# KiCad board SPCInterfaceBoard-v01.kicad_pcb (continued)
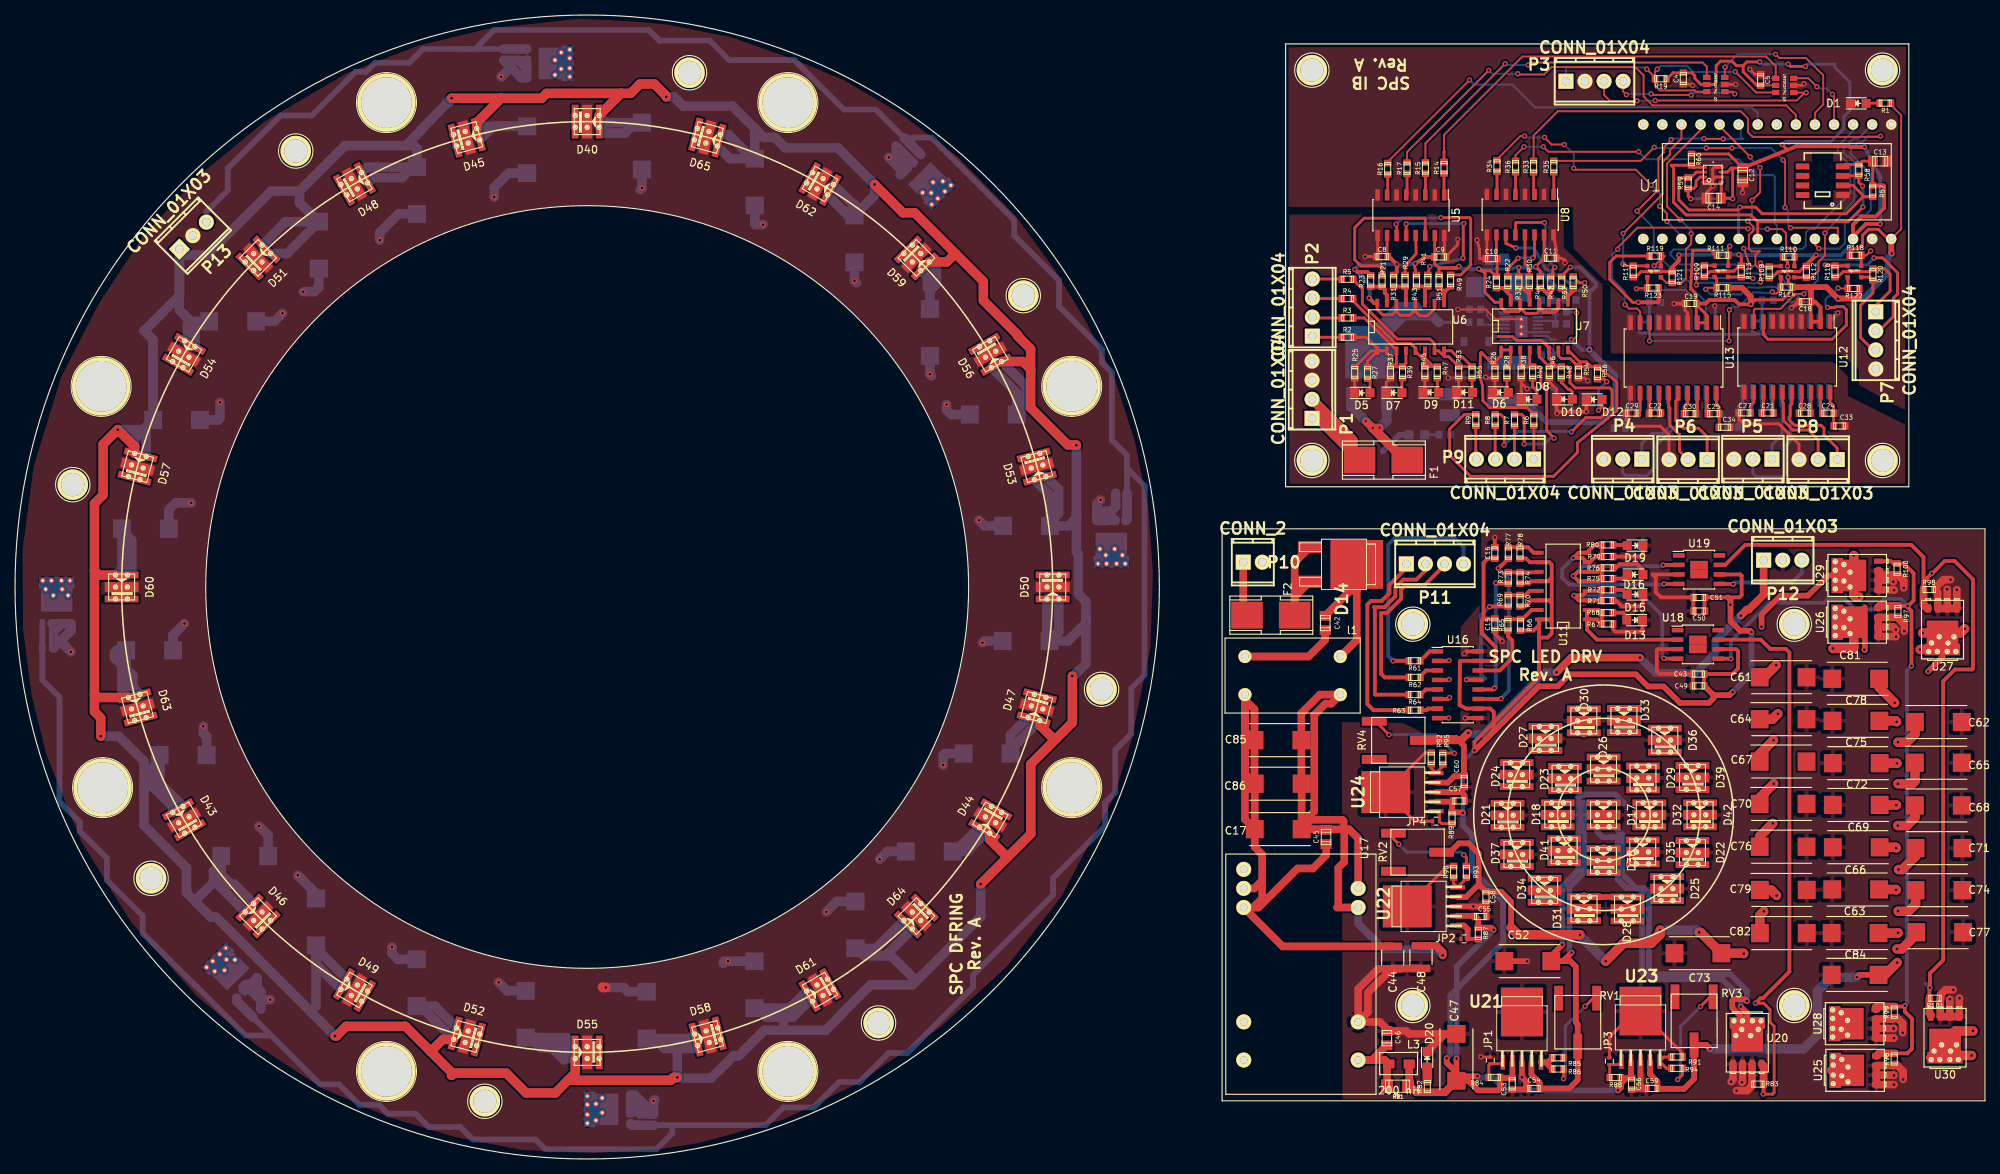
[diagram p0: board, top side]
## Routing (per net, layer and track width the routed paths; a pad name or vN(x,y) marks a point on that pad's centre or on a via; arc(x,y) is an arc through that point) (continued)
/LED-DC-DC/Out1: length 21.1
  Top w0.508: U11.1 209.36,70.52 210.69,69.19 U18.2 ; U11.1 U11.2 210.93,73.15 R68.2 211.32,72.75 R67.2 210.73,71.88 U11.1
/LED-DC-DC/Out2: length 30
  Top w0.508: v1(219.61,66.69) 219.65,66.65 U18.4 ; 211.31,74.42 R71.2 209.38,74.39 U11.3 208.25,74.42 v1(207.6,75.07) 208.74,75.07 U11.4 211.17,75.69 R72.2 211.31,74.42
  Bottom w0.508: v1(219.61,66.69) 219.38,66.92 219.38,72.39 216.7,75.07 v1(207.6,75.07)
/LED-DC-DC/Out3: length 24.6
  Top w0.508: v1(219.5,79.12) 219.52,79.15 U19.2 ; 210.97,76.96 R75.2 211.32,78.75 R76.2 210.78,78.23 U11.6 208.12,78.23 207.57,77.68 v1(207.53,77.68) 208.25,76.96 U11.5 210.97,76.96
  Bottom w0.508: v1(219.5,79.12) 219.34,78.97 208.83,78.97 v1(207.53,77.68)
/LED-DC-DC/Out4: length 29.6
  Top w0.508: v1(219.61,76.61) 219.61,76.61 U19.4 ; 209.75,79.5 210.51,80.26 R79.2 R80.2 210.36,81.81 209.36,80.81 U11.8 208.22,80.77 v1(207.53,80.08) 208.78,80.08 U11.7 209.75,79.5
  Bottom w0.508: v1(219.61,76.61) 219.53,76.53 206.96,76.53 206.05,77.45 206.05,78.59 v1(207.53,80.08)
/LED-DC-DC/T1: length 31
  Top w0.508: v1(183.54,66.36) 183.55,66.37 R61.1
  Bottom w0.508: v1(183.54,66.36) 182.89,67 182.89,81.84 183.79,82.73 191.72,82.73 192.91,81.54 P11.4
/LED-DC-DC/T2: length 24
  Top w0.508: R62.1 182.42,64.16 181.93,64.65 181.93,72.73 181.91,72.75 182.72,72.75 184.59,74.62 184.59,75.88 185.13,76.42 187.7,76.42 190.37,79.09 P11.3
/LED-DC-DC/T3: length 26.7
  Top w0.508: 185.59,61.9 R64.1 181.19,61.86 181.1,61.94 181.1,73.4 180.99,73.51 182.39,73.51 183.84,74.96 183.84,76.12 184.9,77.18 186.62,77.18 187.83,78.4 P11.2
/LED-DC-DC/T4: length 27.5
  Top w0.508: R63.1 180.92,59.79 180.1,60.61 180.1,73.85 180.59,74.34 181.99,74.34 183.05,75.39 183.05,76.47 185.29,78.72 P11.1
/LED-DC-DC/Vo11: length 9.2
  Top w0.508: R65.1 198.82,69.65 199.4,69.06 199.4,66.75 197.74,65.09 U16.14
/LED-DC-DC/Vo21: length 16.8
  Top w0.508: v1(193.31,63.86) 193.35,63.82 U16.13 ; v1(196.38,73.57) 196.42,73.61 R69.1
  Bottom w0.508: v1(193.31,63.86) 193.46,64.01 195.77,64.01 195.24,64.54 195.24,72.43 v1(196.38,73.57)
/LED-DC-DC/Vo31: length 18.1
  Top w0.508: v1(197.03,62.73) 196.85,62.55 U16.12 ; v1(197.19,76.75) 197.29,76.66 R73.1
  Bottom w0.508: v1(197.03,62.73) 197.19,62.89 v1(197.19,76.75)
/LED-DC-DC/Vo41: length 23.3
  Top w0.508: v1(197.89,61.33) 197.84,61.28 U16.11 ; v1(197.54,78.68) 197.91,79.05 197.96,79.05 R77.1
  Bottom w0.508: v1(197.89,61.33) 198.93,62.37 198.93,77.28 v1(197.54,78.68)
/Sensors/SCL0: length 45.6
  Top w0.381: 232.08,124.85 231.17,125.77 222.56,125.77 220.88,127.45 220.88,132.07 220.56,132.39 R60.1 223.54,132.11 U9.4 ; 232.08,124.85 244.13,124.85 v1(246.1,126.82) ; 232.08,124.85 232.09,124.84 U1.19 ; U10.3 243.42,130.99 R58.2 245.56,130.1 v1(246.04,129.62)
  Bottom w0.381: v1(246.04,129.62) 246.1,129.55 v1(246.1,126.82)
/Sensors/SDA0: length 43.1
  Top w0.381: 223.23,130.77 223.92,131.46 U9.3 ; 243.42,129.67 U10.2 244.79,129.69 246.29,128.19 R57.2 246.12,128.19 243.87,125.93 232.68,125.93 231.81,126.8 v1(229.72,126.8) 229.34,126.42 222.94,126.42 221.57,127.79 221.57,130.74 221.58,130.75 R59.1
  Bottom w0.381: v1(229.72,126.8) 229.55,126.63 U1.18
Net-(C3-Pad1): length 1.6
  Bottom w0.254: C3.1 206.33,114.39 R10.1
Net-(C6-Pad1): length 1.9
  Bottom w0.254: U4.4 197.05,110.64 196.73,110.32 196.61,110.32
Net-(C6-Pad2): length 3.5
  Bottom w0.254: C6.2 204.79,107.84 204.54,108.09 204.46,108.09 203.92,108.62 203.92,108.98 203.76,109.14 U4.16
Net-(C17-Pad1): length 97.2
  Top w1.016: 176.94,43.92 177.68,43.92 178.88,42.72 U17.23 ; 176.94,43.92 176.94,44.21 176.94,44.01 177.03,43.92 177.03,39.59 176.23,38.79 176.23,33.64 176.09,33.5 U17.22 ; 176.94,43.92 174.63,43.92 174.6,43.94 C17.1 ; 176.94,43.92 176.94,45.01 176.76,45.19 172.59,45.19 C17.1 ; C17.1 C86.1 171.32,50.02 C85.1 171.32,59.39 173.78,61.86 l1.2 175.3,60.66 174.54,60.66 173.03,59.15 173.03,46.34 171.35,44.66 C17.1 ; v1(190.14,27.11) 190.14,27.54 189.3,28.38 C48.1
  Bottom w1.016: v1(190.14,27.11) 189.31,27.95 182.3,27.95 178.88,31.37 U17.22
Net-(C17-Pad2): length 107.6
  Top w1.016: C85.2 163.8,57.07 l1.1 ; C85.2 165.08,59.9 163.8,61.18 l1.1 ; C85.2 165.08,50.02 C86.2 ; C86.2 163.8,51.29 l1.1 ; C86.2 C17.2 ; C17.2 163.8,45.25 l1.1 ; C17.2 165.11,41.55 166.09,40.57 166.09,37.1 ; 164.9,33.5 165.61,33.5 170.81,38.7 172.85,38.7 174.63,40.48 174.63,42.02 ; 164.9,33.5 166.09,34.7 166.09,37.1 ; 164.9,33.5 U17.3 168.82,28.32 C44.1 ; 166.09,37.1 165.04,36.04 U17.2
Net-(C21-Pad1): length 2.8
  Top w0.381: C21.1 234.11,99.45 U12.14
Net-(C21-Pad2): length 2.8
  Top w0.381: U12.13 232.84,99.55 C21.2
Net-(C22-Pad1): length 2.7
  Top w0.381: C22.1 218.97,99.59 U13.14
Net-(C22-Pad2): length 2.6
  Top w0.381: U13.13 217.7,99.38 C22.2
Net-(C23-Pad1): length 2.9
  Bottom w0.381: C23.1 222.63,99.32 U14.14
Net-(C23-Pad2): length 3
  Bottom w0.381: U14.13 223.9,99.33 C23.2
Net-(C24-Pad1): length 4.7
  Top w0.381: U12.20 241.73,100.79 242.2,100.32 C24.1 242.2,97.69 C33.1
Net-(C24-Pad2): length 2.9
  Top w0.381: C24.2 240.46,99.59 U12.19
Net-(C25-Pad1): length 4.8
  Top w0.381: U13.20 226.59,100.4 226.73,100.4 226.96,100.17 C25.1 226.96,97.51 C34.1
Net-(C25-Pad2): length 2.8
  Top w0.381: C25.2 225.32,99.42 U13.19
Net-(C26-Pad1): length 5.1
  Bottom w0.381: U14.20 215.01,100.47 214.89,100.47 214.48,100.06 C26.1 214.48,97.37 C35.1
Net-(C26-Pad2): length 3.1
  Bottom w0.381: C26.2 216.28,99.48 U14.19
Net-(C27-Pad1): length 2.9
  Top w0.381: U12.12 231.57,100.79 231.12,100.34 C27.1
Net-(C28-Pad1): length 2.8
  Top w0.381: U12.18 239.19,99.45 C28.1
Net-(C28-Pad2): length 2.9
  Top w0.381: C28.2 237.92,99.69 U12.17
Net-(C29-Pad1): length 2.8
  Top w0.381: C29.1 216.43,99.71 U13.12
Net-(C30-Pad1): length 2.8
  Top w0.381: U13.18 224.05,99.55 C30.1
Net-(C30-Pad2): length 3
  Top w0.381: U13.17 222.78,100.58 222.7,100.58 222.29,100.17 C30.2
Net-(C31-Pad1): length 3.1
  Bottom w0.381: C31.1 225.17,99.77 U14.12
Net-(C32-Pad1): length 2.9
  Bottom w0.381: U14.18 217.55,99.2 C32.1
Net-(C32-Pad2): length 3
  Bottom w0.381: C32.2 218.82,99.43 U14.17
Net-(C37-Pad1): length 2.9
  Bottom w0.381: C37.1 237.71,99.4 U15.14
Net-(C37-Pad2): length 2.9
  Bottom w0.381: C37.2 238.98,99.63 U15.13
Net-(C38-Pad1): length 5
  Bottom w0.381: U15.20 230.09,100.89 229.51,100.32 C38.1 229.51,97.53 C41.1
Net-(C38-Pad2): length 3
  Bottom w0.381: C38.2 231.36,99.77 U15.19
Net-(C39-Pad1): length 2.7
  Bottom w0.381: 240.88,99.8 240.25,100.43 U15.12
Net-(C40-Pad1): length 2.8
  Bottom w0.381: C40.1 232.63,99.44 U15.18
Net-(C40-Pad2): length 2.9
  Bottom w0.381: C40.2 233.9,99.64 U15.17
Net-(C42-Pad2): length 18.8
  Top w1.016: l1.3 178.7,69.14 178.7,75.68 ; 178.7,75.68 177.8,75.68 174.48,72.37 ; 178.7,75.68 D14.2
Net-(C46-Pad1): length 12
  Top w1.016: 182.67,15.15 180.71,13.18 U17.14 182.44,13.18 L3.1 182.72,12.41 R81.1
Net-(D1-Pad2): length 1.8
  Top w0.381: D1.2 246.55,140.66 R1.1
Net-(D2-Pad1): length 20.8
  Top w1.016: v2(179.89,98.31) v2(180.82,97.38) 181.71,97.38 v2(181.76,97.43)
  Top w1.27: F1.2 185.1,93.11 v2(180.82,97.38)
  Bottom w0.254: v2(180.82,97.38) 180.78,97.43 180.78,97.55 179.51,98.82 179.51,98.7
  Bottom w1.27: D2.3 178.1,100.11 180.78,97.43 v2(181.76,97.43) 182.7,98.37 D2.1
Net-(D3-Pad2): length 4.4
  Bottom w0.254: 196.99,109.37 196.86,109.37 ; 196.99,109.37 196.52,108.9 196.25,108.9 196.39,108.9 196.86,109.37 ; 196.99,109.37 197.05,109.43 197.29,109.43 197.5,109.64 ; 196.86,109.37 196.73,109.5 196.86,109.62 197.05,109.62 197.07,109.64 197.5,109.64 ; 197.5,109.64 U4.2
Net-(D4-Pad2): length 1.9
  Bottom w0.381: D4.2 R20.1
Net-(D5-Pad2): length 2
  Top w0.381: R27.1 180.46,103.64 D5.2
Net-(D6-Pad2): length 1.9
  Top w0.381: 198.72,102.12 198.69,102.16 R28.1
Net-(D7-Pad2): length 2
  Top w0.381: R39.1 184.71,103.95 D7.2
Net-(D8-Pad2): length 3.1
  Top w0.381: D8.2 202.69,102.31 202.14,102.86 202.11,102.86 R40.1
Net-(D9-Pad2): length 2
  Top w0.381: D9.2 189.41,102.32 R47.1
Net-(D10-Pad2): length 3.6
  Top w0.381: D10.2 207.4,102.19 207.06,102.53 206.86,102.53 205.97,103.43 205.92,103.43 R48.1
Net-(D11-Pad2): length 2.1
  Top w0.381: 194.43,102.12 194.05,102.51 R55.1
Net-(D12-Pad2): length 7.3
  Top w0.381: v1(211.97,103.55) 211.6,103.91 R56.1 ; v1(210.89,99.75) 210.89,99.74 211.36,100.21 D12.2
  Bottom w0.381: v1(211.97,103.55) 210.89,102.47 v1(210.89,99.75)
Net-(D13-Pad2): length 2.5
  Top w0.508: D13.2 214.65,72.29 214.16,72.78 R68.1
Net-(D14-Pad1): length 15.2
  Top w1.016: D14.3 170.42,74.88 F2.2 170.42,79.48 D14.1
Net-(D15-Pad2): length 2.1
  Top w0.508: D15.2 214.1,75.83 R72.1
Net-(D16-Pad2): length 5.1
  Top w0.508: D16.2 216.81,78.48 216.05,79.24 213.69,79.24 213.21,78.76 R76.1
Net-(D17-Pad1): length 89.1
  Top w0.762: v1(229.82,20.3) 230.7,19.42 U20.5 ; v1(230.64,21.04) 230.4,21.29 228.91,21.29 228.71,21.09 228.71,20.13 U20.5
  Bottom w0.762: v1(229.82,20.3) 229.82,21.48 227.35,23.95 217.71,23.95 217.59,24.07 217.59,35.38 216.91,36.07 215.92,36.07 214.07,37.91 214.07,43.22 213.03,44.26 D17.1 ; 212.68,42.86 211.45,42.86 210.73,43.58 D17.1 ; 212.68,42.86 212.84,42.86 ; 212.68,42.86 213.46,42.86 213.57,42.75 ; 213.45,42.26 213.45,37.23 214.57,36.12 216.86,36.12 216.68,35.93 216.68,24.87 216.95,24.6 228.45,24.6 230.64,22.41 v1(230.64,21.04)
Net-(D18-Pad1): length 6.8
  Top w0.762: 203.78,44.25 D18.1 ; 216.5,39.31 D35.1 ; 215.02,49.16 D29.1 ; 211.86,50.35 D26.1 211.09,50.35
  Top w1.27: U28.5 242.35,18.29 ; 242.38,11.81 U25.5 241.95,11.81
  Bottom w0.762: 217.64,39.42 D35.1 ; D32.1 218.17,44.26
Net-(D19-Pad2): length 1.9
  Top w0.508: D19.2 214.62,81.81 R80.1
Net-(D20-Pad2): length 1.8
  Top w1.27: D20.2 188.09,12.2 R82.1
Net-(D21-Pad1): length 63.3
  Top w0.762: 208.82,31.88 D31.1 ; 214.72,31.73 D28.1 ; 226.26,44.25 D42.1 ; 208.93,56.52 D30.1 ; 214.22,56.77 D33.1 214.27,56.69 ; 254.84,13.51 U30.5 ; v1(254.78,64.95) 256.7,66.88 U27.5 ; 246.35,67.8 v1(246.3,67.85) ; 246.36,67.85 246.36,73.51 ; v1(232.6,70.91) 232.6,72.53 235.11,75.05 238.78,75.05 241.46,77.73 U29.5 ; D37.1 200.03,38.85
  Top w1.27: U26.5 244.89,68.14 244.75,68.01 v1(242.11,68.01) ; U27.5 v1(253.72,67.88) ; v1(260.57,13.79) 258.95,13.79 U30.5 258.39,17.06 v1(260.76,17.06) ; v1(244.89,80.41) U29.5 244.89,75.09 245.12,74.86 v1(245.57,74.86) ; v1(259.66,70.63) 259.1,70.08 U27.5 v1(254.05,70.08)
  Bottom w0.762: v1(232.6,70.91) 232.63,70.89 232.63,70.8 ; D36.1 220.48,54.21
Net-(D40-Pad1): length 3.7
  Bottom w1.27: D45.1 58.82,136.06 D45.1 ; D40.1 D40.1 ; 71.41,145.5 U31.5
Net-(F2-Pad1): length 7.3
  Top w1.016: F2.1 163.58,72.94 P10.1
Net-(JP1-Pad2): length 3.7
  Top w0.381: U21.1 197.94,12.68 JP1.2 196.28,12.49 R84.1
Net-(JP2-Pad2): length 4.3
  Top w0.508: R87.1 194.85,29.33 JP2.2
  Top w0.762: U22.1 192.98,31.11 193.46,30.63 JP2.2
Net-(JP3-Pad2): length 3.5
  Top w0.381: U23.1 213.51,12.58 JP3.2 212.37,12.54 R88.1
Net-(JP4-Pad2): length 3.3
  Top w0.381: U24.1 189.7,45.89 JP4.2 190.03,44.67 R89.1
Net-(P2-Pad1): length 4
  Top w0.381: R2.2 172.93,109.47 P2.1
Net-(P2-Pad2): length 4
  Top w0.381: P2.2 172.89,112.04 R3.2
Net-(P2-Pad3): length 3.9
  Top w0.381: P2.3 172.85,114.62 R4.2
Net-(P2-Pad4): length 3.9
  Top w0.381: R5.2 176.65,117.24 P2.4
Net-(P9-Pad1): length 4.5
  Top w0.381: R6.2 202.27,93.27 P9.1
Net-(P9-Pad2): length 4.5
  Top w0.381: R7.2 199.7,93.24 P9.2
Net-(P9-Pad3): length 4.5
  Top w0.381: R8.2 197.12,93.27 P9.3
Net-(P9-Pad4): length 4.5
  Top w0.381: P9.4 194.54,93.31 R9.2
Net-(R10-Pad2): length 1.9
  Bottom w0.254: R10.2 202.81,113.91 U4.9
Net-(R11-Pad1): length 3.4
  Bottom w0.254: R11.1 195.47,111.14 U4.5
Net-(R12-Pad1): length 4.3
  Bottom w0.254: R12.1 195.89,113.18 196.04,113.04 196.04,112.35 196.67,111.72 197.38,111.72 197.46,111.64 U4.6
Net-(R13-Pad1): length 4.1
  Bottom w0.254: U4.11 204.77,111.64 R13.1 205.14,112.84 R18.1
Net-(R14-Pad2): length 2.9
  Top w0.381: U5.1 190.32,128.46 R14.2
Net-(R15-Pad2): length 2.8
  Top w0.381: U5.3 187.84,128.45 R15.2
Net-(R16-Pad2): length 2.8
  Top w0.381: R16.2 182.81,128.5 U5.7
Net-(R17-Pad2): length 2.9
  Top w0.381: U5.5 185.39,128.54 R17.2
Net-(R21-Pad2): length 4
  Top w0.508: R23.1 182.06,116.22 R21.2 182.42,115.87 182.42,115.38 182.7,115.1 U6.15
Net-(R22-Pad2): length 3.9
  Top w0.508: 198.81,115.4 199.19,115.01 U7.15 ; 198.81,115.4 198.17,116.04 R24.1 ; 198.81,115.4 R22.2
Net-(R29-Pad2): length 3.8
  Top w0.508: U6.13 185.24,116.13 R29.2 185.11,116.23 R31.1
Net-(R30-Pad2): length 3.7
  Top w0.508: U7.13 201.67,114.19 201.67,115.21 ; 201.67,115.21 200.83,116.04 R32.1 ; 201.67,115.21 R30.2
Net-(R33-Pad2): length 3
  Top w0.381: R33.2 202.24,128.63 U8.3
Net-(R34-Pad2): length 3.1
  Top w0.381: U8.7 197.36,128.58 R34.2
Net-(R35-Pad2): length 3
  Top w0.381: R35.2 204.93,128.53 U8.1
Net-(R36-Pad2): length 3
  Top w0.381: U8.5 199.84,128.51 R36.2
Net-(R41-Pad2): length 3.9
  Top w0.508: U6.11 187.78,115.88 R41.2 188.15,116.25 R43.1
Net-(R42-Pad2): length 3.6
  Top w0.508: 204.27,115.08 204.53,115.33 R42.2 ; 204.27,115.08 U7.11 ; 204.27,115.08 203.31,116.04 R44.1
Net-(R49-Pad2): length 3.7
  Top w0.508: 190.32,115.41 R49.2 ; 190.32,115.41 U6.9 ; 190.32,115.41 190.32,115.59 R51.1
Net-(R50-Pad2): length 3.6
  Top w0.508: 206.88,115.01 207.51,115.65 R50.2 ; 206.88,115.01 205.99,115.9 R52.1 ; 206.88,115.01 206.81,114.95 U7.9
Net-(R61-Pad2): length 2.8
  Top w0.508: U16.1 188.41,67.63 187.15,66.37 R61.2
Net-(R62-Pad2): length 2.8
  Top w0.508: U16.3 187.94,65.09 187.15,64.3 R62.2
Net-(R63-Pad2): length 2.4
  Top w0.508: U16.7 188.21,60.01 187.99,59.79 R63.2
Net-(R64-Pad2): length 2.6
  Top w0.508: U16.5 187.88,62.55 187.19,61.86 R64.2
Net-(R65-Pad2): length 4.7
  Top w0.508: U11.15 201.99,73.15 200.75,71.91 R66.1 198.83,71.91 R65.2
Net-(R69-Pad2): length 4.4
  Top w0.508: U11.13 201.71,75.69 201.13,75.11 R70.1 R69.2
Net-(R73-Pad2): length 4.2
  Top w0.508: U11.11 202.94,78.16 R74.1 R73.2
Net-(R77-Pad2): length 4.4
  Top w0.508: U11.9 202.24,80.77 201.51,81.5 R78.1 198.91,81.5 R77.2
Net-(R85-Pad2): length 3.6
  Top w0.762: R86.2 203.84,12.89 U21.5 204.15,12.89 R85.2
Net-(R86-Pad1): length 14.1
  Top w0.381: v1(206.22,10.7) 206.24,10.72 R86.1 ; v1(209.1,20.34) 210.18,21.42 RV1.1
  Bottom w0.381: v1(206.22,10.7) 206.47,10.95 206.47,17.72 v1(209.1,20.34)
Net-(R90-Pad2): length 3.3
  Top w0.381: R93.2 193.29,37.37 U22.5 191.59,36.71 R90.2
Net-(R91-Pad2): length 3.7
  Top w0.381: R91.2 219.6,13.59 U23.5 219.95,12.08 R94.2
Net-(R92-Pad2): length 3
  Top w0.381: R95.2 190.15,52.3 U24.5 188.61,52.05 R92.2
Net-(R93-Pad1): length 12.7
  Top w0.381: v1(192.95,40.52) 193.29,40.17 R93.1 ; v1(184.29,41.94) 183.59,42.64 RV2.1
  Bottom w0.381: v1(192.95,40.52) 192.59,40.88 185.35,40.88 v1(184.29,41.94)
Net-(R94-Pad1): length 15
  Top w0.381: v1(221.42,10.59) 222.08,11.25 R94.1 ; v1(224.47,20.31) 225.75,21.6 RV3.1
  Bottom w0.381: v1(221.42,10.59) 221.82,10.98 221.82,17.66 v1(224.47,20.31)
Net-(R95-Pad1): length 14
  Top w0.381: v1(191.7,54.04) 191.64,54.09 R95.1 ; v1(182.98,56.52) 181.19,58.31 RV4.1
  Bottom w0.381: v1(191.7,54.04) 189.21,56.52 v1(182.98,56.52)

## Copper pours and planes (outline as drawn; the poured copper is in the pictures)
/Isolated Comms/GND on Top: 245.56,103.11 245.56,105.19 243.2,107.2 212.52,107.33 212.48,116.27 207.58,121.3 207.45,126.83 169.6,126.83 169.6,148.1 251.83,148.16 251.71,99.76
/Isolated Comms/GND on Bottom: 251.79,99.83 245.56,103.07 245.53,105.37 243.12,107.26 212.52,107.34 212.48,116.22 207.32,121.66 207.41,126.81 169.74,126.83 169.63,148.23 251.86,148.23 251.72,107.29
/Isolated Comms/GNDiso on Top: 251.73,97.85 251.72,89.98 169.72,89.96 169.69,125.8 206.24,125.91 206.27,121.4 211.41,116.53 211.37,106.38 214.56,106.29 242.07,106.2 244.08,104.3 244.11,101.65
/Isolated Comms/GNDiso on Bottom: 186.07,107.72 186.13,98.45 184.86,97.43 184.8,95.53 186.51,95.53 186.57,97.43 187.59,97.69 187.59,100.54 192.73,100.54 192.73,103.65 189.18,103.65 187.91,105.11 187.91,110.51 186.07,110.51
/Isolated Comms/GNDiso on Bottom: 169.79,90 169.79,102.31 169.73,120.67 169.75,120.67 169.79,126 206.25,125.91 206.29,122.34 206.6,121.59 206.84,120.81 207.52,120.08 208.5,119.28 209.65,118.23 211.42,116.45 211.39,106.25 231.58,106.22 241.99,106.17 244.07,104.27 244.07,101.76 251.71,97.98 251.77,89.93 ; 1 cut-out
/Isolated Comms/GNDiso on Bottom: 204.35,109.88 209.43,109.88 209.43,115.4 207.34,115.4 207.34,113.88 208.55,113.31 208.55,112.1 206.07,112.1 206.07,110.51 205.75,110.32 204.23,110.32 204.23,110
/Isolated Outputs/+5Viso on Bottom: 204.48,109.12 205.75,108.16 205.75,102.07 194.51,102.07 193.24,100.03 188.58,100.03 188.54,97.62 190.51,97.62 190.45,95.65 192.91,95.65 194.14,98.2 207.59,98.21 207.53,107.82 206.13,109.43 204.42,109.43 204.43,109.29
/LED-DC-DC/BF LED/GNDiso on Top: 176.8,7.97 176.71,58.2 184.79,58.09 188.03,56.53 192.48,56.49 192.52,70.82 195.24,74.12 195.26,83.81 262.22,83.77 262.2,7.92 176.8,7.94
/LED-DC-DC/BF LED/GNDiso on Bottom: 176.71,7.99 176.75,58.13 184.86,58.21 187.88,56.49 192.45,56.41 192.45,70.36 195.27,74.35 195.23,83.77 262.22,83.77 262.2,7.92
/LED-DC-DC/Df Ring/GNDiso on Top: 86.95,151.11 95.3,149.46 103.94,146.43 110.41,143.71 118.09,139.17 125.53,133.5 133.25,125.64 138.43,118.53 142.68,111.49 146.45,103.95 149.12,95.69 150.94,86.63 151.55,78.06 151.22,68.16 148.66,55.63 146.23,47.96 139.32,34.91 132.03,25.58 123.33,17.64 112.13,10.02 102.32,5.23 91.15,2.15 85.89,1.31 76.99,0.79 67.56,1.18 58.6,2.94 49.87,5.54 40.89,9.43 31.96,15.28 24.24,21.66 15.47,31.53 8.82,42.29 4.19,53.86 2.25,61.56 1.07,70.53 1.01,81.18 2.5,92.29 6.14,104.14 11.14,113.92 16.99,122.81 24.46,130.96 33.3,138.25 44.17,144.63 53.75,148.34 63.01,150.57 74.78,151.87 80.13,151.67 78.68,151.79 84.21,151.37
/LED-DC-DC/GND on Bottom: 160.94,7.94 160.91,83.78 194.44,83.82 194.39,74.55 191.64,70.89 191.62,57.47 187.81,57.47 183.17,59.49 175.45,59.49 175.47,47.36 175.45,7.95
/Isolated Outputs/Vunreg on Bottom: 190.45,110.77 194.05,110.77 194.06,112.18 191.08,112.21 191.08,114.2 192.8,114.51 196.23,114.45 197.18,112.73 199.15,112.73 199.15,113.31 197.5,114.07 196.54,115.66 196.54,117.81 196.97,118 196.96,121.01 186.02,121.01 186,110.77
/LED-DC-DC/DF PFA LED/Vled1 on In1.Cu: 192.59,56.45 192.62,70.59 212.12,70.44 222.24,60.77 222.24,60.72 229.63,61.84 230.87,67.97 236.17,67.96 236.21,28.59 232.6,24.9 225.1,24.85 223.94,30.19 228.56,38.54 230.16,49.03 230.17,51.74 224.94,51.74 214.29,51.72 214.26,48.18 220.06,48.17 220.06,45.56 218.74,45.57 214.91,45.57 214.91,43.3 219.57,43.31 219.58,40.76 218.58,40.69 217.12,40.68 213.76,40.69 213.41,39.5 212.77,39.49 210.47,39.45 209.69,39.5 209.04,40.92 208.67,40.91 207.4,40.86 204.53,40.86 203.99,41.2 203.93,42.11 203.94,43.24 207.69,43.28 207.69,45.5 206.24,45.51 204.64,45.51 204.09,45.63 204.04,46.86 204.07,48.03 209.06,47.99 209.96,49.26 213.47,49.36 213.49,51.63 208.73,51.59 208.23,50.53 207.78,50.52 204.75,50.51 204.2,50.86 204.24,53.07 208.81,53.04 208.88,54.45 208.83,54.45 206.84,55.8 200.55,56 197.08,55.76 194.49,53.17 193.84,45.4 194.6,40.6 197.46,35.54 197.08,32.72 188.85,31.15 185.35,31.69 185.31,56.98
/LED-DC-DC/DF PFA LED/Vled2 on In2.Cu: 197.93,46.95 202.04,46.97 202.02,45.84 202.18,43.96 202.04,43.08 198.36,42.98 198.37,41.7 203.09,41.71 203.13,38.27 202.38,38 202.38,36.93 206.94,36.93 207.03,36.58 207.06,34.58 211.78,34.54 217.61,34.48 217.65,36.7 217.8,37.18 222.83,37.06 222.86,38.46 214.76,38.49 214.65,37.22 208.45,37.18 208.56,38.92 204.1,38.85 204,48.22 197.97,48.22
/LED-DC-DC/DF PFA LED/Vled2 on In2.Cu: 195.75,51.95 199.52,58.51 204.24,61.46 208.23,63.23 211.21,63.15 214.5,63.49 221.35,60.49 223.53,59.06 226.66,59 229.68,61.66 243.91,65.57 243.91,65.48 249.92,65.75 250.45,65.41 251.02,63.01 255.02,60.76 255.18,27.85 251.63,23.16 246.64,23.05 246.6,31.2 244.26,32.42 244.26,32.33 231.73,32.5 228.79,37.3 227.95,40.16 226.87,40.97 226.4,41.89 222.32,41.88 222.31,43.19 226.49,43.2 227.43,43.48 227.47,46.91 223.49,46.9 223.5,48.15 224.37,48.32 226.34,48.68 226.34,51.88 222.26,51.9 222.29,52.63 222.62,53.59 222.64,56.9 217.77,56.87 217.64,58.98 217.24,59.49 207.03,59.45 206.72,58.35 206.73,57.11 200.98,57.07 200.95,53.6 202.93,53.6 202.91,52.26 197.91,52.28 197.86,48.16 201.58,48.07 201.61,46.96 201.6,46.96 194.75,46.99 194.64,48.48
Net-(C6-Pad1) on Bottom: 195.24,109.66 195.08,109.37 195.13,108.97 195.13,107.66 197.31,107.65 197.88,108.16 203.4,108.16 203.97,107.85 203.97,106.19 205.43,106.19 205.43,104.73 189.3,104.67 188.48,105.43 188.49,110.16 195.51,110.35 196.09,110.46 196.73,110.51 196.74,110.2 196.42,110.07 195.48,109.93
Net-(D18-Pad1) on In1.Cu: 195.01,52.56 197.45,55.2 206.2,55.28 206.13,53.88 203.96,53.8 203.61,53.4 203.76,49.96 205.25,49.96 205.25,49.98 208.91,50.01 209.19,51.1 212.79,51.1 212.94,49.79 209.44,49.68 208.69,48.51 206.53,48.58 204.61,48.58 203.7,48.51 203.64,46.65 203.73,45.14 206.8,45.09 207.32,45.07 207.32,43.7 203.75,43.7 203.6,43.52 203.47,41.27 203.93,40.37 208.9,40.37 209.17,38.98 214.04,39 214.11,39.21 214.33,40.17 219.18,40.17 220.16,40.39 220.22,43.73 215.27,43.75 215.27,45.09 220.45,45.11 220.43,48.59 214.73,48.66 214.75,49.97 228.37,49.98 228.66,49.25 227.66,39.36 223.48,33.3 221.24,31.86 223.7,23.25 232.57,23.16 236.32,26.68 240.85,20.7 246.43,20.59 246.43,8.24 204.47,8.26 204.81,30.4 198.83,35.23 194.7,41.65
Net-(D21-Pad1) on In2.Cu: 201.56,46.69 201.56,43.59 199.06,43.43 197.94,43.37 197.95,41.2 202.75,41.15 202.75,38.56 201.88,38.41 201.56,38.22 201.58,36.36 206.44,36.35 206.43,35.88 206.44,33.89 217.66,33.76 218.07,34.28 218.09,35.31 218.17,35.31 218.18,36.46 222.71,36.44 222.7,35.27 223.5,35.28 223.54,35.31 223.56,38.88 221.47,38.89 220.65,39.54 220.73,42.91 220.73,44.89 220.72,48.4 220.23,48.8 220.17,53.39 217.22,53.34 216.68,55.38 207.77,55.25 207.17,53.45 203.92,53.32 203.8,48.9 198.47,48.9 198.49,51.92 203.26,51.99 203.23,53.79 202.32,54.2 202.31,56.68 206.66,56.65 207.66,57.11 207.62,58.96 208.32,58.95 216.57,58.86 217.21,58.65 217.25,56.17 222.28,56.16 222.29,53.93 221.64,52.52 221.72,51.19 225.97,51.23 225.98,49.22 222.78,48.56 222.95,46.35 227.15,46.32 227.16,43.82 226.01,43.82 221.74,43.81 221.76,41.3 225.87,41.31 227.22,39.4 226.64,36.93 230.98,30.32 245.46,30.21 245.5,22.38 253.54,22.35 257.36,26.31 257.15,61.96 250.88,66.84 240.98,66.84 241.02,82.67 261.92,82.61 261.98,8.15 260.32,8.15 236.76,8.3 233.66,15.04 215.27,20.65 212.2,24.73 200.39,28.26 195.93,39.01 196.33,39.23 195.9,40.11 194.85,44.54 194.82,44.61 194.69,46.65
Net-(D40-Pad1) on Bottom: 25.04,76.28 24.98,81.43 26.72,90.71 30.21,100.14 35,107.18 41.17,113.94 48.34,119.33 57.98,124.42 67.56,126.76 76.23,127.82 84.71,126.86 92.13,125.25 99.9,121.89 105.06,119.01 110.52,114.58 115.3,110.03 118.12,106.2 121.68,100.11 125.09,92.2 127.07,83.99 127.73,77.22 127.67,71.83 125.82,61.93 122.22,52.69 117.96,46.26 114.21,41.48 109.8,37.04 103.28,32.22 95.29,28.25 86.86,25.83 80.06,24.93 75.82,24.61 68.09,25.19 60.39,27.17 53.32,29.93 47.94,33 40.89,38.45 34.98,45.18 30.39,52.35 27.12,60.05 25.37,67.33 25.03,76.59
Net-(D40-Pad1) on Bottom: 1.12,74.41 1.37,85.11 3.56,95.38 6.62,105.41 11.28,114.21 18.47,124.81 27.45,133.28 35.71,139.68 45.56,145.16 57.56,149.55 73.48,151.93 87.07,151.09 98.95,148.23 108.25,144.44 116.08,140.14 123.89,134.67 132.4,126.33 138.22,118.58 143.18,110.66 146.31,104.02 148.84,95.77 150.87,86.84 151.46,76.14 151.11,67.85 148.76,56.06 145.71,46.5 139.19,35.08 131.94,25.65 123.42,17.5 111.64,9.52 102.14,5.21 91.2,2.23 85.76,1.4 76.91,0.8 67.52,1.17 59.15,2.79 50.71,5.22 41.18,9.34 31.74,15.38 24.49,21.64 15.75,31.37 8.75,42.6 4.26,54.04 2.15,62.12 1.05,70.63 1.05,74.88
